# Altium PCB TEBF0808.PcbDoc (part 2 of 11)
Units mm, origin at the board's own origin, x right, y up, seen from the top; angles counter-clockwise.
Board outline 170 x 170 mm, 16 copper layers (L 01, L 02 G, L 03 S, L 04 G, L 05 S, L 06 G, L 07 P, L 08 P, L 09 P, L 10 P, L 11 G, L 12 S, L 13 G, L 14 S, L 15 G, L 16), stack 1.774 mm thick; 609 components, 869 nets, 3941 pads, 2358 vias.
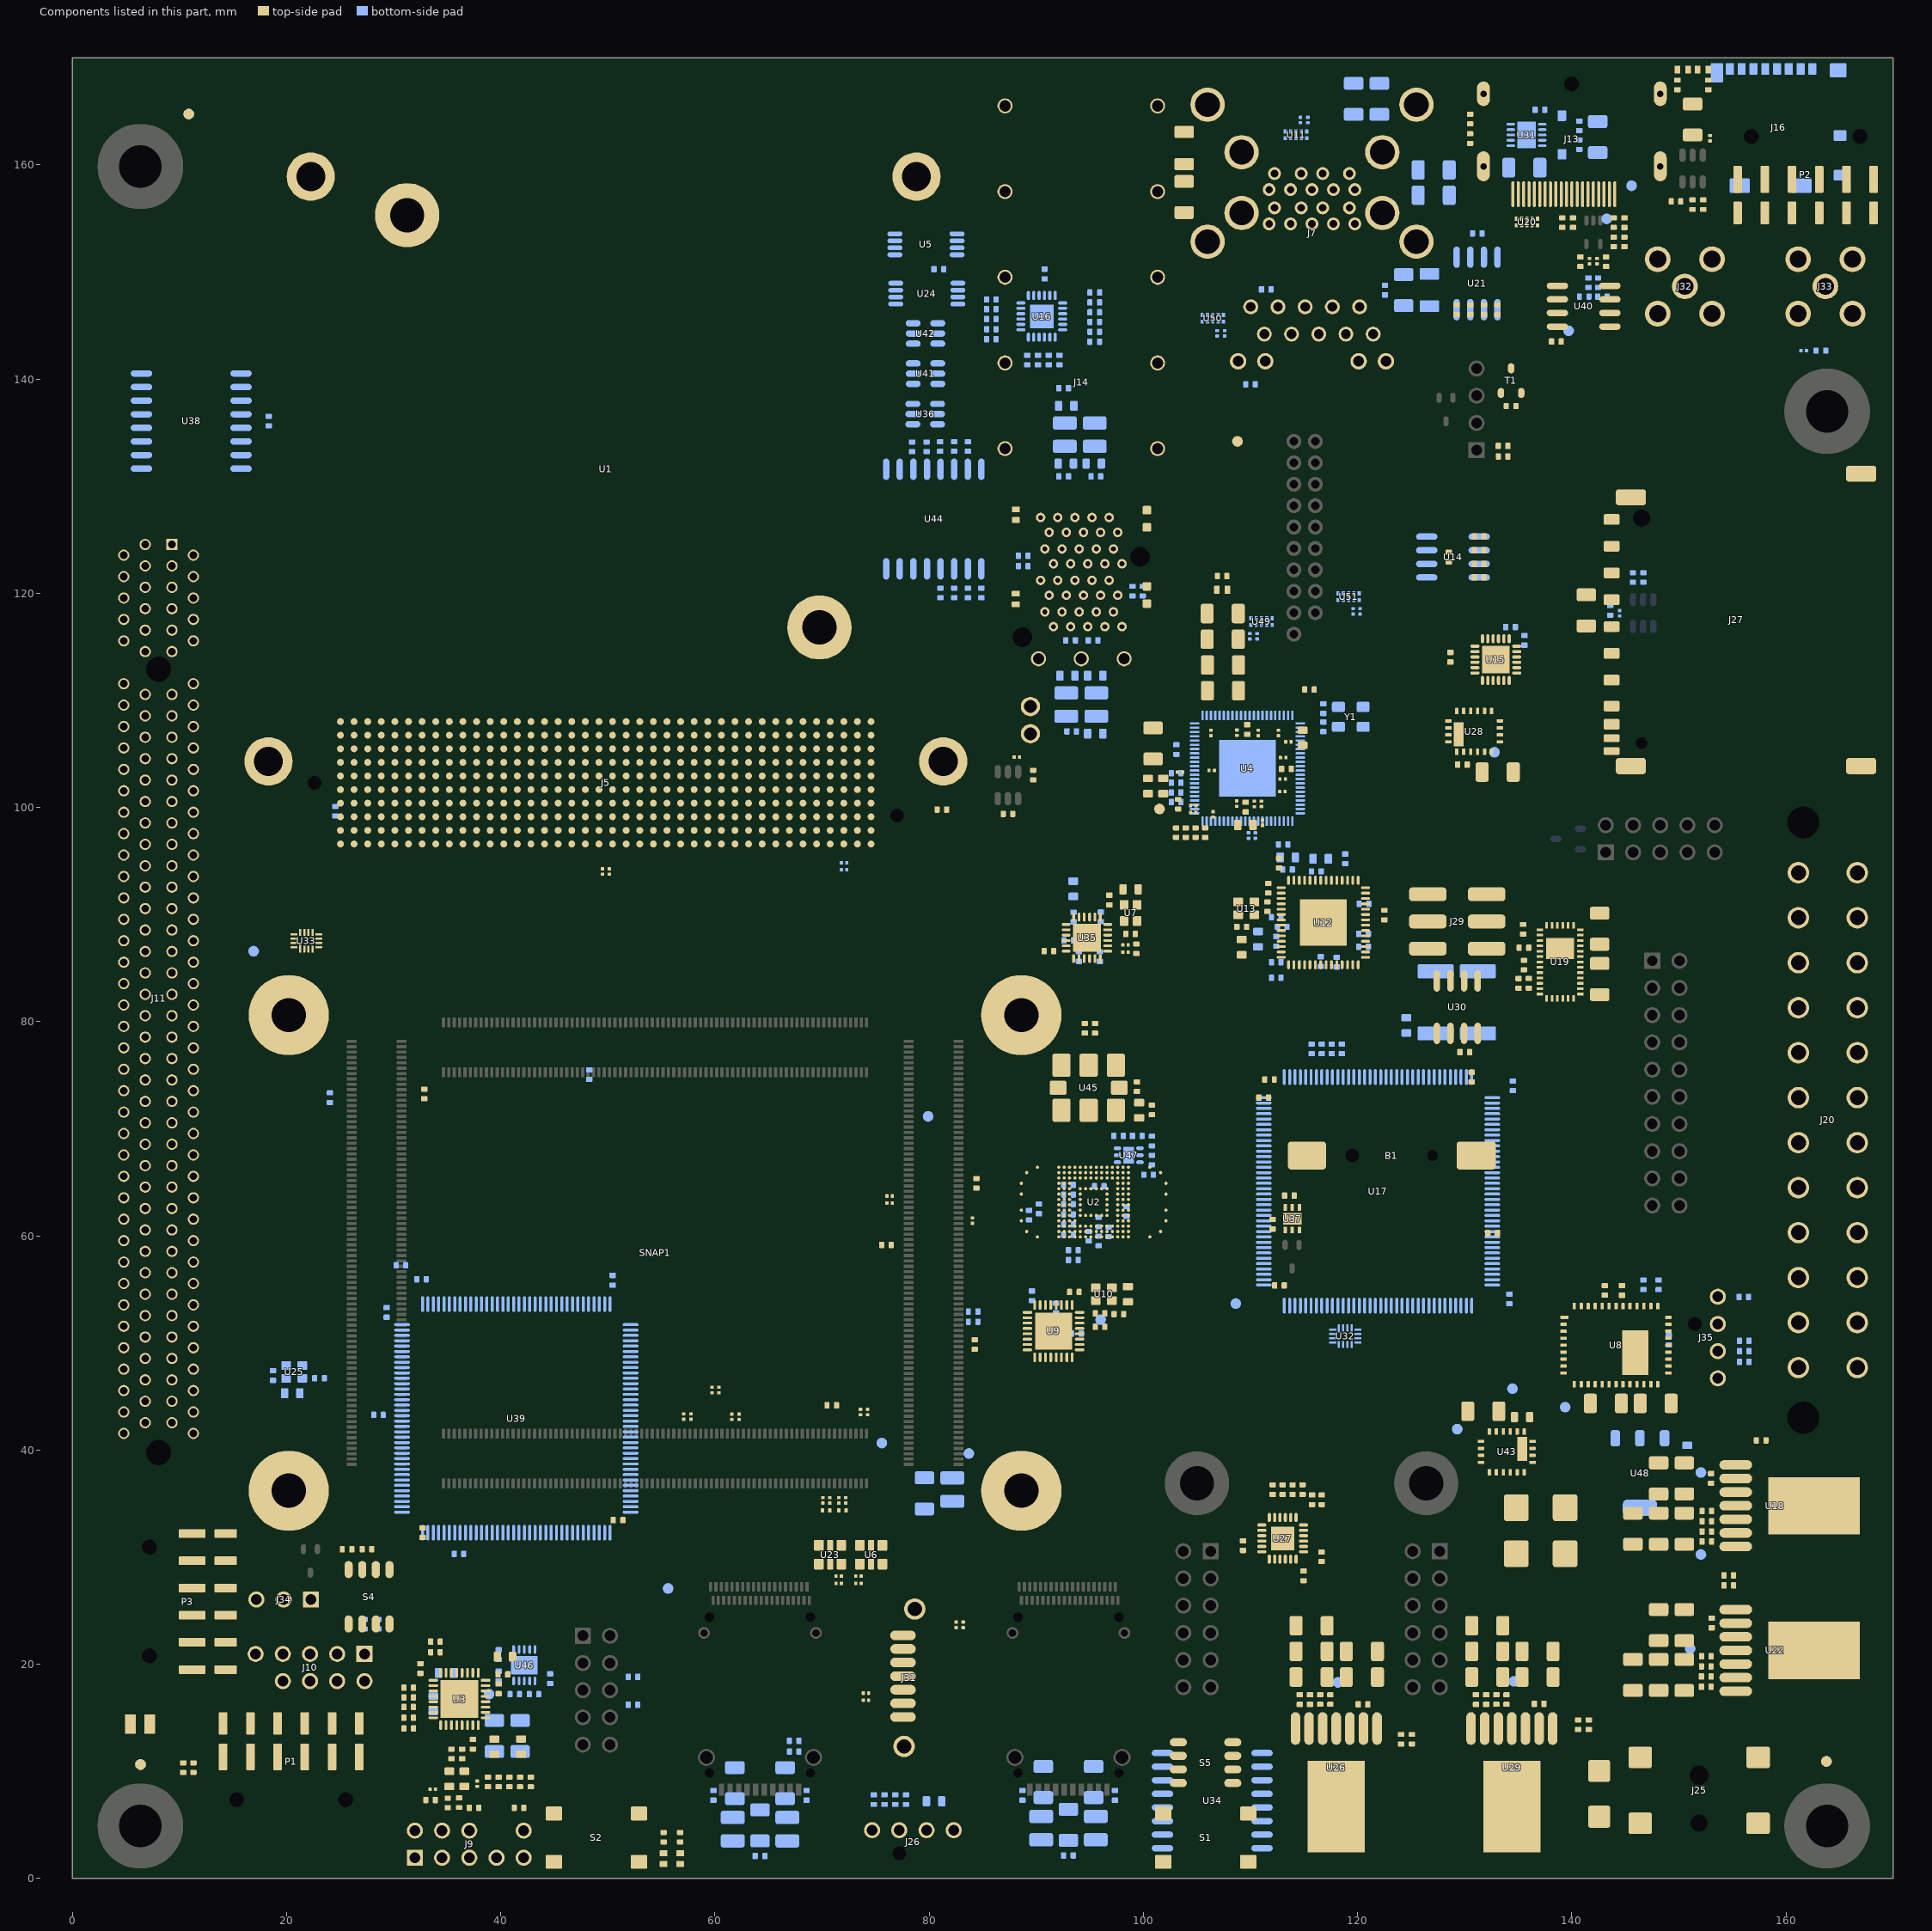
[diagram p16: the components of this part, seen from the top]

## Components (designator, comment, footprint, x,y, rotation, side; value= is the part's Value field where it differs from the comment) (continued)
R86 "4K99" RESC1005X40N 81.025,133.7 r90 bottom
R87 "4K99" RESC1005X40N 82.325,120.025 r270 bottom
R88 "12K" RESC1005X40N 27.5,30.75 r180 top
R89 "10K" RESC1005X40N 96.75,60.375 r270 bottom
R90 "10K" RESC1005X40N 89.325,61.925 r270 bottom
R91 "10K" RESC1005X40N 93,62 r180 bottom
R92 "10K" RESC1005X40N 93,62.95 r180 bottom
R93 "10K" RESC1005X40N 93,60.1 r180 bottom
R94 "10K" RESC1005X40N 93,61.05 r180 bottom
R95 "10K" RESC1005X40N 95.825,59.525 r270 bottom
R96 "10K" RESC1005X40N 94.9,59.95 r270 bottom
R97 "49R9" RESC1005X40N 142.45,149 r270 bottom
R98 "4K99" RESC1005X40N 77.825,7.35 r270 bottom
R99 "10K" RESC1005X40N 93,63.85 r180 bottom
R100 "59R" RESC6332X80N 131.225,81.8 r90 bottom
R101 "249R" RESC1005X40N 116.65,77.45 r90 bottom
R102 "249R" RESC1005X40N 117.575,77.45 r90 bottom
R103 "33R" RESC1005X40N 76,59.15 r180 top
R104 "249R" RESC1005X40N 115.7,77.45 r90 bottom
R105 "249R" RESC1005X40N 118.525,77.45 r90 bottom
R106 "10K" RESC1005X40N 131.35,125.28 r180 top
R107 "4K99" RESC1005X40N 98.975,120.2 r270 bottom
R108 "4K99" RESC1005X40N 83.6,120.025 r270 bottom
R109 "0R" RESC1005X40N 133.575,132.775 r180 top
R110 "10K" RESC1005X40N 131.35,121.47 r180 top
R111 "10K" RESC1005X40N 133.055,146.475 r270 top
R112 "33R" RESC1005X40N 98.795,88.175 r180 top
R113 "4K99" RESC1005X40N 88.775,122.525 r180 bottom
R114 "4K99" RESC1005X40N 81.05,120.025 r270 bottom
R115 "4K99" RESC1005X40N 90.15,141.78 r270 bottom
R116 "4K99" RESC1005X40N 85.8,145.605 r180 bottom
R117 "4K99" RESC1005X40N 84.875,120.025 r270 bottom
R118 "4K99" RESC1005X40N 88.77,123.5 r180 bottom
R119 "4K99" RESC1005X40N 95.45,144.405 r180 bottom
R120 "4K99" RESC1005X40N 95.45,143.48 r180 bottom
R121 "4K99" RESC1005X40N 89.15,141.78 r270 bottom
R122 "4K99" RESC1005X40N 79.75,133.675 r90 bottom
R123 "4K99" RESC1005X40N 99.925,120.2 r270 bottom
R124 "4K99" RESC1005X40N 82.325,133.7 r90 bottom
R125 "100K" RESC1005X40N 111.775,74.6 r180 top
R126 "10K" RESC1005X40N 18.335,136.069 r90 bottom
R127 "4K99" RESC1005X40N 83.6,133.7 r90 bottom
R128 "33R" RESC1005X40N 32.6,55.95 r180 bottom
R129 "10K" RESC1005X40N 81.175,99.8 r180 top
R130 "4K99" RESC1005X40N 95.45,147.155 r180 bottom
R131 "4K99" RESC1005X40N 95.45,148.08 r180 bottom
R132 "4K99" RESC1005X40N 115.75,35.35 r270 top
R133 "59R" RESC6332X80N 127.275,81.8 r90 bottom locked
R134 "100R" RESC0603X26N 71.9,34.35 r0 top
R135 "2K" RESC1005X40N 52.345,16.225 r0 bottom
R136 "2K" RESC1005X40N 52.35,18.825 r0 bottom
R137 "12K" RESC1005X40N 151.275,156.275 r270 top
R138 "200K" RESC1005X40N 152.275,156.275 r270 top
R139 "12K" RESC1005X40N 146.675,121.475 r90 bottom
R140 "4K99" RESC1005X40N 11.3,10.35 r270 top
R141 "4K99" RESC1005X40N 84.1,52.925 r180 bottom
R142 "4K99" RESC1005X40N 84.1,51.975 r180 bottom
R143 "1M" RESC3216X65N 126.7,148.3 r270 bottom
R144 "4K99" RESC1005X40N 10.35,10.35 r270 top
R145 "10K" RESC1005X40N 129.245,146.475 r270 top
R146 "100R" RESC1005X40N 70.9,44.175 r180 top
R147 "200K" RESC1005X40N 145.7,121.475 r270 bottom
R148 "4K99" RESC1005X40N 114.85,36.3 r270 top
R149 "4K99" RESC1005X40N 113.925,36.305 r270 top
R150 "147K" RESC1005X40N 25.645,30.725 r180 top
R151 "33R" RESC1005X40N 91.175,86.575 r180 top
R152 "49K9" RESC1005X40N 157.675,40.9 r0 top
R153 "10K" RESC1005X40N 154.65,28.3 r180 top
R154 "0R" RESC1005X40N 154.65,27.35 r180 top
R155 "0R" RESC1005X40N 124.05,13 r90 top
R156 "0R" RESC1005X40N 140.575,14.345 r90 top
R157 "10K" RESC1005X40N 125.075,13 r90 top
R158 "10K" RESC1005X40N 141.15,147.7 r0 bottom
R159 "4K99" RESC1005X40N 142.85,147.7 r180 bottom
R160 "0R" RESC1005X40N 48.25,75.05 r270 bottom
R161 "0R" RESC1005X40N 30.68,57.25 r0 bottom
R162 "10K" RESC1005X40N 143.076,54.901 r270 top
R163 "10K" RESC1005X40N 141.575,14.35 r90 top
R164 "10K" RESC1005X40N 135.45,88.625 r90 top
R165 "4K99" RESC1005X40N 95.45,145.33 r180 bottom
R166 "4K99" RESC1005X40N 113,36.3 r270 top
R167 "4K99" RESC1005X40N 112.075,36.3 r270 top
R168 "33R" RESC1005X40N 163.25,142.65 r180 bottom
R169 "10K" RESC1005X40N 134.325,137.475 r180 top
R170 "4K7" RESC1005X40N 41.3,17.2 r180 bottom
R171 "1K5" RESC1005X40N 43.1,17.2 r0 bottom
R172 "100R" RESC0603X26N 70.375,34.35 r0 top
R173 "4K99" RESC1005X40N 85.8,143.73 r0 bottom
R174 "4K99" RESC1005X40N 78.4,133.675 r90 bottom
R177 "0R" RESC1005X40N 149.725,156.575 r180 top
R178 "0R" RESC1005X40N 143.575,118.4 r270 bottom
R179 "4K99" RESC1005X40N 95.45,146.23 r180 bottom
R180 "100R" RESC1005X40N 84.4,64.9 r90 top
R181 "0R" RESC1005X40N 94.525,79.375 r270 top
R182 "0R" RESC1005X40N 95.475,79.375 r270 top
R183 "4K99" RESC1005X40N 134.175,54.1 r270 bottom
R184 "10K" RESC1005X40N 95.825,61.275 r90 bottom
R185 "4K99" RESC1005X40N 148.101,55.426 r90 bottom
R186 "4K99" RESC1005X40N 146.676,55.426 r90 bottom
R187 "0R" RESC1005X40N 35.05,7.05 r90 top
R188 "0R" RESC1005X40N 36.1,7.07 r90 top
R189 "33R" RESC1005X40N 28.575,43.275 r180 bottom
R190 "240R" RESC1005X40N 32.85,73.25 r270 top
R191 "12K" RESC1005X40N 100.8,68.85 r270 bottom
R192 "100K" RESC1005X40N 100.8,67.075 r90 bottom
R193 "100K" RESC1005X40N 100.475,65.7 r0 bottom
R194 "0R" RESC1005X40N 100.8,71.75 r90 top
R195 "200R" RESC1005X40N 103.05,103.2 r0 bottom
R196 "4K99" RESC1005X40N 156.1,49.225 r180 bottom
R197 "100R" RESC1005X40N 156.05,54.3 r180 bottom
R198 "4K99" RESC1005X40N 156.1,48.225 r180 bottom
R199 "10K" RESC1005X40N 156.1,50.2 r0 bottom
R200 "6K04" RESC1005X40N 113.05,96.55 r180 bottom
R201 "10K" RESC1005X40N 103.075,105.4 r90 bottom
R202 "10K" RESC1005X40N 103.05,101.4 r0 bottom
R203 "10K" RESC1005X40N 103.05,100.5 r0 bottom
R204 "12K" RESC1005X40N 89.7,103.025 r90 top
R205 "200K" RESC1005X40N 87.35,99.4 r180 top
S1 "SW PB DTSM61N" DTSM61N 105.82,3.81 r180 top locked
S2 "SW PB DTSM61N" DTSM61N 48.93,3.81 r180 top
S4 "CHS-04TA" CHS-04TA 27.7,26.3 r270 top locked
S5 "CHS-04TA" CHS-04TA 105.8,10.81 r0 top locked
S/N "Serialnumber" TraceabilityPad 6.325,14.425 r0 top
Serial "Serialnumber 6,3 x 6.3mm" Serial_6.3x6.3mm 8.6,147.8 r270 top
SNAP1 "TE_76x52mm_3N_Snap" TE_76x52mm_Snap 54.405,58.403 r90 top locked
SNAP2 "SNAP FireFly Socket System" FireFly_Snap 93,24.4 r0 top locked
SNAP3 "SNAP FireFly Socket System" FireFly_Snap 64.2,24.4 r0 top locked
T1 "BSH111,215" SOT95P230X109-3N 134.325,139.85 r90 top
TP1 "Testpoint 1mm" TP_1mm 108.775,134.175 r180 top
TP2 "Testpoint 1mm" TP_1mm 108.625,53.675 r90 bottom
TP3 "Testpoint 1mm" TP_1mm 139.376,44.001 r90 bottom
TP4 "Testpoint 1mm" TP_1mm 151.05,21.45 r90 bottom
TP5 "Testpoint 1mm" TP_1mm 118.15,18.3 r90 bottom
TP6 "Testpoint 1mm" TP_1mm 152.05,30.25 r90 bottom
TP7 "Testpoint 1mm" TP_1mm 142.6,82.525 r270 bottom
TP8 "Testpoint 1mm" TP_1mm 134.6,18.4 r90 bottom
TP9 "Testpoint 1mm" TP_1mm 132.775,105.15 r0 bottom
TP10 "Testpoint 1mm" TP_1mm 129.3,41.95 r90 bottom
TP11 "Testpoint 1mm" TP_1mm 152.05,37.9 r90 bottom
TP12 "Testpoint 1mm" TP_1mm 101.5,99.85 r180 top
TP13 "Testpoint 1mm" TP_1mm 38.9,17.2 r90 bottom
TP15 "Testpoint 1mm" TP_1mm 83.7,39.675 r270 bottom
TP18 "Testpoint 1mm" TP_1mm 145.575,158.05 r90 bottom
TP19 "Testpoint 1mm" TP_1mm 143.25,154.95 r0 bottom
TP28 "Testpoint 1mm" TP_1mm 16.925,86.575 r270 bottom
TP29 "Testpoint 1mm" TP_1mm 55.625,27.075 r270 bottom
TP30 "Testpoint 1mm" TP_1mm 79.9,71.15 r270 bottom
TP31 "Testpoint 1mm" TP_1mm 139.7,144.5 r0 bottom
TP32 "Testpoint 1mm" TP_1mm 134.45,45.725 r270 bottom
TP33 "Testpoint 1mm" TP_1mm 96,52.175 r270 bottom
TP36 "Testpoint 1mm" TP_1mm 75.575,40.65 r270 bottom
U1 "Single FMC Carrier Card" FMC-MM-Single-Base 49.8,102.3 r0 top locked
U2 "MTFC16GJVEC-2M WT" BGA169C50P14X28_1400X1800X80_MICRON 95.35,63.15 r90 top locked
U3 "ADAU1761BCPZ-R7" QFN50P500X500X100-33N 36.14,16.75 r0 top locked
U4 "CYUSB3324" QFN40P10X10X1-89T530 109.71,103.65 r90 bottom locked
U5 "24LC128-I/ST" SOP65P640X120-8N-MC 79.7,152.575 r180 bottom
U6 "DSC1123CI2-100.0000T" PSON105P320X250X90-6N 74.575,30.225 r90 top locked
U7 "SiT8008BI-73-18S-25.000000E" 2016 98.8,90.15 r0 top
U8 "EN5335QI" EN5335QI 144.126,49.791 r0 top locked
U9 "USB3320C-EZK" QFN50P500X500X100-33N-345 91.6,51.1 r0 top
U10 "SiT8008AI-73-XXS-52.000000E" 2016 96.3,54.55 r270 top
U11 "ESD3V3U4ULC E6327" TSLP-9-1 114.25,162.8 r270 bottom
U12 "88E1512-A0-NNP2I000" QFN50P800X800X100-57N 116.8,89.25 r180 top locked
U13 "SiT8008BI-73-18S-25.000000E" 2016 109.6,90.57 r90 top locked
U14 "AP2186SG-13" SOIC127P600X175-8N 128.9,123.375 r180 bottom
U15 "TXS02612RTWR" QFN50P400X400X80-25N-255 132.9,113.8 r0 top locked
U16 "TCA9548ARGER" QFN50P400X400X100-25N-220 90.51,145.85 r180 bottom locked
U17 "LCMXO2-1200HC-4TG144I" QFP50P2200X2200X160-144N 121.9,64.15 r90 bottom locked
U18 "171050601" 7TO-PMOD 161,34.8 r0 top locked
U19 "EN6347QI" EN63xx 138.9,85.575 r90 top locked
U20 "ESD3V3U4ULC E6327" TSLP-9-1 135.8,154.65 r90 top
U21 "AP2186SG-13" SOIC127P600X175-8N 131.15,148.925 r90 bottom
U22 "171050601" 7TO-PMOD 161,21.29 r0 top
U23 "DSC1123CI2-150.0000" PSON105P320X250X90-6N 70.75,30.225 r90 top
U24 "24LC128-I/ST" SOP65P640X120-8N-MC 79.775,147.975 r180 bottom
U25 "SiT8008BI-71-33S-24.576000" 2016 20.725,47.3 r270 bottom
U26 "171050601" 7TO-PMOD 118,8.3 r270 top locked
U27 "TCA9548ARGER" QFN50P400X400X100-25N-220 113,31.75 r90 top
U28 "EN5311QI" EN5311QI 130.875,107.1 r90 top locked
U29 "171050601" 7TO-PMOD 134.4,8.3 r270 top locked
U30 "TCAN337" SOIC127P600X175-8N 129.3,81.35 r90 top locked
U31 "TPS74801DRC" SON50P300X300X100-11N-TI 135.765,162.785 r0 bottom
U32 "SN74AVC4T774RSVR" QFN40P260X180X55-16N 118.85,50.625 r270 bottom
U33 "SN74AVC4T774RSVR" QFN40P260X180X55-16N 21.85,87.55 r90 top
U34 "PCF8574DWR" SOIC127P1030X265-16N 106.425,7.26 r0 bottom locked
U35 "SI5338A-B-GMR" QFN50P400X400X90-25N 94.725,87.825 r180 top locked
U36 "24AA025E48T-I/OT" SOT95P280X145-6N 79.625,136.725 r0 bottom
U37 "TPS780180300" SON65P200X200X80-7N 113.9,61.595 r90 top
U38 "PCF8574DWR" SOIC127P1030X265-16N 11.1,136.075 r180 bottom
U39 "LCMXO2-1200HC-4TG144I" QFP50P2200X2200X160-144N 41.45,42.95 r270 bottom locked
U40 "SN65MLVD201D" SOIC127P600X175-8N 141.1,146.8 r180 top locked
U41 "24AA025E48T-I/OT" SOT95P280X145-6N 79.65,140.5 r0 bottom
U42 "24AA025E48T-I/OT" SOT95P280X145-6N 79.65,144.25 r0 bottom
U43 "EN5311QI" EN5311QI 133.924,39.826 r270 top locked
U44 "PCF8574DWR" SOIC127P1030X265-16N 80.425,126.925 r270 bottom
U45 "570FBB000290DG" OSCCC500X700X180-8N 94.875,73.825 r270 top
U46 "TPS74801DRC" SON50P300X300X100-11N-TI 42.2,19.9 r270 bottom
U47 "TPS79901DRV" SON65P200X210X80-7N-TI 98.625,67.525 r180 bottom
U48 "BTS4141N" SOT230P700X180-4N 146.35,37.85 r270 bottom
U49 "ESD3V3U4ULC E6327" TSLP-9-1 111.025,117.35 r90 bottom
U50 "ESD3V3U4ULC E6327" TSLP-9-1 106.475,145.675 r270 bottom
U51 "ESD3V3U4ULC E6327" TSLP-9-1 119.15,119.675 r90 bottom
Y1 "CX3225SB26000" OSCCC320X250X60N 119.355,108.455 r270 bottom

## Footprints (in the part's own frame and the unit in brackets; to place one, negate y for a bottom-side part, rotate by r counter-clockwise, add the part's x,y. Pads: shape width x height; smd on the part's side, far side on the other; paste and mask are expansions set on the pad)
1-2007492-5 [mm]
  round 1.4 hole 1.05: H0(-7.125,8) H0(-7.125,0) H0(-7.125,-16) H0(-7.125,-8) H0(-7.125,-24) H0(-4,27.625) H0(0,27.625) H0(4,27.625) H0(7.125,8) H0(7.125,0) H0(7.125,-16) H0(7.125,-8) H0(7.125,-24)
  round 0 hole 1.85 unplated: H1(-5.5,18.1) H2(5.5,25.6)
  round 0.88 hole 0.46: L1(3.4,17.37) L2(2.6,18.75) L3(1.8,17.37) L4(1,18.75) L5(0.2,17.37) L6(-0.6,18.75) L7(-1.4,17.37) L8(-2.2,18.75) L9(-3,17.37) L10(-3.8,18.75) L11(-3.4,15.82) L12(-2.6,14.43) L13(-1.8,15.82) L14(-1,14.43) L15(-0.2,15.82) L16(0.6,14.43) L17(1.4,15.82) L18(2.2,14.43) L19(3,15.82) L20(3.8,14.43) T1(-3.4,21.69) T2(-2.6,20.3) T3(-1.8,21.69) T4(-1,20.3) T5(-0.2,21.69) T6(0.6,20.3) T7(1.4,21.69) T8(2.2,20.3) T9(3,21.69) T10(3.8,20.3) T11(3.4,23.24) T12(2.6,24.62) T13(1.8,23.24) T14(1,24.62) T15(0.2,23.24) T16(-0.6,24.62) T17(-1.4,23.24) T18(-2.2,24.62) T19(-3,23.24) T20(-3.8,24.62)
  Courtyard Top keep-out region: -7,27.5 -7.25,27.5 -7.25,17.75 -7.25,12.47 -7,12.47 -7,17.75
  Courtyard Top keep-out region: 7,27.5 7.25,27.5 7.25,17.75 7.25,12.47 7,12.47 7,17.75
  Courtyard Top keep-out region: 4.95,27.5 7.125,27.5 7.125,25.376 4.8,23.04 4.8,20.7 7.125,18.364 7.125,17.906 4.8,15 4.8,12.47 4.25,12.47 4.25,14.05 4.383,14.288 4.383,14.562 4.25,14.8 4.25,14.8 4.25,19.9 4.383,20.156 4.383,20.444 4.25,20.7 4.25,20.7 4.25,26.8 4.65,27.1 4.95,27.5
  Courtyard Top keep-out region: -4.95,27.5 -7.125,27.5 -7.125,25.376 -4.8,23.04 -4.8,20.7 -7.125,18.364 -7.125,17.906 -4.8,15 -4.8,12.47 -4.25,12.47 -4.25,18.364 -4.383,18.615 -4.383,18.899 -4.25,19.15 -4.25,19.15 -4.25,24.25 -4.383,24.488 -4.383,24.762 -4.25,25 -4.25,25 -4.25,26.8 -4.675,27.075 -4.95,27.5
  silkscreen extent -7.63,-14.57 7.63,27.75, body extent -8.15,-35.5 8.15,28.3, height 26.42
7TO-PMOD [mm]
  oval 3.06x0.89 smd: 1(-5.7,3.81) 2(-5.7,2.54) 3(-5.7,1.27) 4(-5.7,0) 5(-5.7,-1.27) 6(-5.7,-2.54) 7(-5.7,-3.81)
  rect 8.54x5.35 smd: 8(1.605,0)
  L 01 region: 5.875,-3.2 5.875,3.2 4.875,3.2 4.875,-3.2
  L 01 region: -2.665,3.2 -2.665,-3.2 -1.665,-3.2 -1.665,3.2
  silkscreen extent -6,-5.21 6.89,5.21, body extent -6.88,-5.08 6.89,5.08, height 5.22
104C-TAA0-R [mm]
  rrect33% 1x1.5 smd: 1(6.875,13.3) 2(4.375,13.3) 3(1.875,13.3) 4(-0.625,13.3) 5(-3.125,13.3) 6(-5.625,13.3) 7(-8.05,13.3) 8(-9.75,13.3) 9(9.375,13.3)
  rrect33% 0.7x1.5 smd: 10(-11.05,13.3) 11(-12.25,13.3)
  rrect33% 1.5x2.8 smd: 12(-13.65,-10) 12(-13.65,11.5) 12(11.45,11.5) 12(13.65,-10)
  round 0 hole 1.1 unplated: H1(-11.5,10.5)
  round 0 hole 1.6 unplated: H2(9.5,10.5)
  silkscreen extent -13.3,-8.2 13.3,12.5, body extent -13.94,-12.39 14.16,13.86, height 3.3
2016 [mm]
  rrect20% 0.8x0.9 smd: 1(-0.6,0.75) 2(-0.6,-0.75) 3(0.6,-0.75) 4(0.6,0.75)
  silkscreen extent -1.4,-0.1 0.82,0.85, body extent -0.82,-1.02 0.82,1.03, height 0.81
8470-2-2-X [mm] "Display Port, Buchse liegend"
  oval 0.28x2.4 smd: 1(5.5,7.142) 2(5,7.142) 3(4.5,7.142) 4(4,7.142) 5(3.5,7.142) 6(3,7.142) 7(2.5,7.142) 8(2,7.142) 9(1.5,7.142) 10(1,7.142) 11(0.5,7.142) 12(0,7.142) 13(-0.5,7.142) 14(-1,7.142) 15(-1.5,7.142) 16(-2,7.142) 17(-2.5,7.142) 18(-3,7.142) 19(-3.5,7.142) 20(-4,7.142)
  oval 1.2x2.8 hole 0.6 slot 2.2 at 90 deg: F1(8.25,4.542) F3(-8.25,4.542)
  oval 1.2x2.3 hole 0.6 slot 1.7 at 90 deg: F2(8.25,-2.238) F4(-8.25,-2.238)
  round 0 hole 1.4 unplated: H1(0,-3.138)
  silkscreen extent -8.45,-6 8.45,8.25, body extent -8.89,-7.45 8.89,7.44, height 6.65
47053-1000 [mm]
  round 1.5 hole 1: 1(3.81,1.08) 2(1.27,1.08) 3(-1.27,1.08) 4(-3.81,1.08)
  round 0 hole 1.3 unplated: H1(-1.27,-1.08)
  silkscreen extent -5.1,-2.12 5.1,4.38, body extent -5.1,-1.46 5.1,4.38, height 10
67800-5005 [mm]
  oval 0.9x2.4 smd: 1(-3.81,0) 2(-2.54,0) 3(-1.27,0) 4(0,0) 5(1.27,0) 6(2.54,0) 7(3.81,0)
  round 2 hole 1.35: F1(-6.27,1.1) F2(6.56,0.1)
  silkscreen extent -8.31,-2.16 8.59,4.29, body extent -8.31,-2.16 8.59,4.29, height 8.6
104031-0811 [mm]
  rrect20% 0.75x1.1 smd: 1(3.155,-5.525) 2(2.055,-5.525) 3(0.955,-5.525) 4(-0.145,-5.525) 5(-1.245,-5.525) 6(-2.345,-5.525) 7(-3.445,-5.525) 8(-4.545,-5.525)
  rrect20% 1.2x1 smd: 9(5.74,0.7) 10(5.74,4.4)
  rrect20% 1.55x1.35 smd: G1(5.565,-5.4)
  rrect20% 1.17x1.8 smd: G2(-5.755,-5.175)
  rrect20% 1.9x1.35 smd: G3(-3.63,5.375) G4(2.14,5.375)
  silkscreen extent -5.98,-4.4 5.97,5.7, body extent -5.97,-9.7 5.97,5.7, height 1.45
7497110616 [mm]
  round 1.39 hole 0.9: 1(5.715,3.72) 2(4.445,6.26) 3(3.175,3.72) 4(1.905,6.26) 5(0.635,3.72) 6(-0.635,6.26) 7(-1.905,3.72) 8(-3.175,6.26) 9(-4.445,3.72) 10(-5.715,6.26)
  round 1.53 hole 1: 11(6.9,8.8) 12(4.36,8.8) 13(-4.36,8.8) 14(-6.9,8.8)
  round 3.2 hole 2.3: F1(-9.75,-15.16) F2(9.75,-15.16) F3(-6.57,-10.73) F4(6.57,-10.73) F5(-6.57,-5.05) F6(6.57,-5.05) F7(-9.75,-2.38) F8(9.75,-2.38)
  round 1.2 hole 0.7: U1(-3.5,-8.73) U2(-1,-8.73) U3(1,-8.73) U4(3.5,-8.73) U5(4,-7.23) U6(2,-7.23) U7(0,-7.23) U8(-2,-7.23) U9(-4,-7.23) U10(-3.5,-5.53) U11(-1,-5.53) U12(1,-5.53) U13(3.5,-5.53) U14(4,-4.03) U15(2,-4.03) U16(0,-4.03) U17(-2,-4.03) U18(-4,-4.03)
  silkscreen extent -9.7,-12 9.8,10, body extent -9.75,-23.18 9.75,9.97, height 31.35
610112249221 [mm]
  rrect20% 0.8x2.1 smd: 1(-6.35,-9.89) 2(-3.81,-9.89) 3(-1.27,-9.89) 4(1.27,-9.89) 5(3.81,-9.89) 6(6.35,-9.89)
  rrect20% 0.8x2.5 smd: 7(-6.35,-6.76) 8(-3.81,-6.76) 9(-1.27,-6.76) 10(1.27,-6.76) 11(3.81,-6.76) 12(6.35,-6.76)
  round 0 hole 1.4 unplated: H1(-5.08,-2.75) H2(5.08,-2.75)
  silkscreen extent -7.87,-9.98 7.87,4.25, body extent -7.87,-10.44 7.87,4.25, height 5.01
694106106102 [mm]
  rrect20% 2.2x2 smd: 1(-5.5,-2.35) 1(-5.5,3.8) 2(5.5,-2.35) 3(5.5,3.8)
  round 0 hole 1.6 unplated: H1(0,-2.35)
  round 0 hole 1.8 unplated: H2(0,2.15)
  silkscreen extent -4.5,-7.35 4.5,7.35, body extent -6.25,-7.35 6.25,7.35, height 11
ASP-134486-01B [mm]
  round 0 hole 1.27 unplated: 1(27.19,-3.05) 2(-27.19,0)
  round 0.64 smd paste+0.125: A1(24.766,-5.715) A2(23.496,-5.715) A3(22.226,-5.715) A4(20.956,-5.715) A5(19.686,-5.715) A6(18.416,-5.715) A7(17.146,-5.715) A8(15.876,-5.715) A9(14.606,-5.715) A10(13.336,-5.715) A11(12.066,-5.715) A12(10.796,-5.715) A13(9.526,-5.715) A14(8.256,-5.715) A15(6.986,-5.715) A16(5.716,-5.715) A17(4.446,-5.715) A18(3.176,-5.715) A19(1.906,-5.715) A20(0.636,-5.715) A21(-0.634,-5.715) A22(-1.904,-5.715) A23(-3.174,-5.715) A24(-4.444,-5.715) A25(-5.714,-5.715) A26(-6.984,-5.715) A27(-8.254,-5.715) A28(-9.524,-5.715) A29(-10.794,-5.715) A30(-12.064,-5.715) A31(-13.334,-5.715) A32(-14.604,-5.715) A33(-15.874,-5.715) A34(-17.144,-5.715) A35(-18.414,-5.715) A36(-19.684,-5.715) A37(-20.954,-5.715) A38(-22.224,-5.715) A39(-23.494,-5.715) A40(-24.764,-5.715) B1(24.766,-4.445) B2(23.496,-4.445) B3(22.226,-4.445) B4(20.956,-4.445) B5(19.686,-4.445) B6(18.416,-4.445) B7(17.146,-4.445) B8(15.876,-4.445) B9(14.606,-4.445) B10(13.336,-4.445) B11(12.066,-4.445) B12(10.796,-4.445) B13(9.526,-4.445) B14(8.256,-4.445) B15(6.986,-4.445) B16(5.716,-4.445) B17(4.446,-4.445) B18(3.176,-4.445) B19(1.906,-4.445) B20(0.636,-4.445) B21(-0.634,-4.445) B22(-1.904,-4.445) B23(-3.174,-4.445) B24(-4.444,-4.445) B25(-5.714,-4.445) B26(-6.984,-4.445) B27(-8.254,-4.445) B28(-9.524,-4.445) B29(-10.794,-4.445) B30(-12.064,-4.445) B31(-13.334,-4.445) B32(-14.604,-4.445) B33(-15.874,-4.445) B34(-17.144,-4.445) B35(-18.414,-4.445) B36(-19.684,-4.445) B37(-20.954,-4.445) B38(-22.224,-4.445) B39(-23.494,-4.445) B40(-24.764,-4.445) C1(24.766,-3.175) C2(23.496,-3.175) C3(22.226,-3.175) C4(20.956,-3.175) C5(19.686,-3.175) C6(18.416,-3.175) C7(17.146,-3.175) C8(15.876,-3.175) C9(14.606,-3.175) C10(13.336,-3.175) C11(12.066,-3.175) C12(10.796,-3.175) C13(9.526,-3.175) C14(8.256,-3.175) C15(6.986,-3.175) C16(5.716,-3.175) C17(4.446,-3.175) C18(3.176,-3.175) C19(1.906,-3.175) C20(0.636,-3.175) C21(-0.634,-3.175) C22(-1.904,-3.175) C23(-3.174,-3.175) C24(-4.444,-3.175) C25(-5.714,-3.175) C26(-6.984,-3.175) C27(-8.254,-3.175) C28(-9.524,-3.175) C29(-10.794,-3.175) C30(-12.064,-3.175) C31(-13.334,-3.175) C32(-14.604,-3.175) C33(-15.874,-3.175) C34(-17.144,-3.175) C35(-18.414,-3.175) C36(-19.684,-3.175) C37(-20.954,-3.175) C38(-22.224,-3.175) C39(-23.494,-3.175) C40(-24.764,-3.175) D1(24.766,-1.905) D2(23.496,-1.905) D3(22.226,-1.905) D4(20.956,-1.905) D5(19.686,-1.905) D6(18.416,-1.905) D7(17.146,-1.905) D8(15.876,-1.905) D9(14.606,-1.905) D10(13.336,-1.905) D11(12.066,-1.905) D12(10.796,-1.905) D13(9.526,-1.905) D14(8.256,-1.905) D15(6.986,-1.905) D16(5.716,-1.905) D17(4.446,-1.905) D18(3.176,-1.905) D19(1.906,-1.905) D20(0.636,-1.905) D21(-0.634,-1.905) D22(-1.904,-1.905) D23(-3.174,-1.905) D24(-4.444,-1.905) D25(-5.714,-1.905) D26(-6.984,-1.905) D27(-8.254,-1.905) D28(-9.524,-1.905) D29(-10.794,-1.905) D30(-12.064,-1.905) D31(-13.334,-1.905) D32(-14.604,-1.905) D33(-15.874,-1.905) D34(-17.144,-1.905) D35(-18.414,-1.905) D36(-19.684,-1.905) D37(-20.954,-1.905) D38(-22.224,-1.905) D39(-23.494,-1.905) D40(-24.764,-1.905) E1(24.766,-0.635) E2(23.496,-0.635) E3(22.226,-0.635) E4(20.956,-0.635) E5(19.686,-0.635) E6(18.416,-0.635) E7(17.146,-0.635) E8(15.876,-0.635) E9(14.606,-0.635) E10(13.336,-0.635) E11(12.066,-0.635) E12(10.796,-0.635) E13(9.526,-0.635) E14(8.256,-0.635) E15(6.986,-0.635) E16(5.716,-0.635) E17(4.446,-0.635) E18(3.176,-0.635) E19(1.906,-0.635) E20(0.636,-0.635) E21(-0.634,-0.635) E22(-1.904,-0.635) E23(-3.174,-0.635) E24(-4.444,-0.635) E25(-5.714,-0.635) E26(-6.984,-0.635) E27(-8.254,-0.635) E28(-9.524,-0.635) E29(-10.794,-0.635) E30(-12.064,-0.635) E31(-13.334,-0.635) E32(-14.604,-0.635) E33(-15.874,-0.635) E34(-17.144,-0.635) E35(-18.414,-0.635) E36(-19.684,-0.635) E37(-20.954,-0.635) E38(-22.224,-0.635) E39(-23.494,-0.635) E40(-24.764,-0.635) F1(24.766,0.635) F2(23.496,0.635) F3(22.226,0.635) F4(20.956,0.635) F5(19.686,0.635) F6(18.416,0.635) F7(17.146,0.635) F8(15.876,0.635) F9(14.606,0.635) F10(13.336,0.635) F11(12.066,0.635) F12(10.796,0.635) F13(9.526,0.635) F14(8.256,0.635) F15(6.986,0.635) F16(5.716,0.635) F17(4.446,0.635) F18(3.176,0.635) F19(1.906,0.635) F20(0.636,0.635) F21(-0.634,0.635) F22(-1.904,0.635) F23(-3.174,0.635) F24(-4.444,0.635) F25(-5.714,0.635) F26(-6.984,0.635) F27(-8.254,0.635) F28(-9.524,0.635) F29(-10.794,0.635) F30(-12.064,0.635) F31(-13.334,0.635) F32(-14.604,0.635) F33(-15.874,0.635) F34(-17.144,0.635) F35(-18.414,0.635) F36(-19.684,0.635) F37(-20.954,0.635) F38(-22.224,0.635) F39(-23.494,0.635) F40(-24.764,0.635) G1(24.766,1.905) G2(23.496,1.905) G3(22.226,1.905) G4(20.956,1.905) G5(19.686,1.905) G6(18.416,1.905) G7(17.146,1.905) G8(15.876,1.905) G9(14.606,1.905) G10(13.336,1.905) G11(12.066,1.905) G12(10.796,1.905) G13(9.526,1.905) G14(8.256,1.905) G15(6.986,1.905) G16(5.716,1.905) G17(4.446,1.905) G18(3.176,1.905) G19(1.906,1.905) G20(0.636,1.905) G21(-0.634,1.905) G22(-1.904,1.905) G23(-3.174,1.905) G24(-4.444,1.905) G25(-5.714,1.905) G26(-6.984,1.905) G27(-8.254,1.905) G28(-9.524,1.905) G29(-10.794,1.905) G30(-12.064,1.905) G31(-13.334,1.905) G32(-14.604,1.905) G33(-15.874,1.905) G34(-17.144,1.905) G35(-18.414,1.905) G36(-19.684,1.905) G37(-20.954,1.905) G38(-22.224,1.905) G39(-23.494,1.905) G40(-24.764,1.905) H1(24.766,3.175) H2(23.496,3.175) H3(22.226,3.175) H4(20.956,3.175) H5(19.686,3.175) H6(18.416,3.175) H7(17.146,3.175) H8(15.876,3.175) H9(14.606,3.175) H10(13.336,3.175) H11(12.066,3.175) H12(10.796,3.175) H13(9.526,3.175) H14(8.256,3.175) H15(6.986,3.175) H16(5.716,3.175) H17(4.446,3.175) H18(3.176,3.175) H19(1.906,3.175) H20(0.636,3.175) H21(-0.634,3.175) H22(-1.904,3.175) H23(-3.174,3.175) H24(-4.444,3.175) H25(-5.714,3.175) H26(-6.984,3.175) H27(-8.254,3.175) H28(-9.524,3.175) H29(-10.794,3.175) H30(-12.064,3.175) H31(-13.334,3.175) H32(-14.604,3.175) H33(-15.874,3.175) H34(-17.144,3.175) H35(-18.414,3.175) H36(-19.684,3.175) H37(-20.954,3.175) H38(-22.224,3.175) H39(-23.494,3.175) H40(-24.764,3.175) J1(24.766,4.445) J2(23.496,4.445) J3(22.226,4.445) J4(20.956,4.445) J5(19.686,4.445) J6(18.416,4.445) J7(17.146,4.445) J8(15.876,4.445) J9(14.606,4.445) J10(13.336,4.445) J11(12.066,4.445) J12(10.796,4.445) J13(9.526,4.445) J14(8.256,4.445) J15(6.986,4.445) J16(5.716,4.445) J17(4.446,4.445) J18(3.176,4.445) J19(1.906,4.445) J20(0.636,4.445) J21(-0.634,4.445) J22(-1.904,4.445) J23(-3.174,4.445) J24(-4.444,4.445) J25(-5.714,4.445) J26(-6.984,4.445) J27(-8.254,4.445) J28(-9.524,4.445) J29(-10.794,4.445) J30(-12.064,4.445) J31(-13.334,4.445) J32(-14.604,4.445) J33(-15.874,4.445) J34(-17.144,4.445) J35(-18.414,4.445) J36(-19.684,4.445) J37(-20.954,4.445) J38(-22.224,4.445) J39(-23.494,4.445) J40(-24.764,4.445) K1(24.766,5.715) K2(23.496,5.715) K3(22.226,5.715) K4(20.956,5.715) K5(19.686,5.715) K6(18.416,5.715) K7(17.146,5.715) K8(15.876,5.715) K9(14.606,5.715) K10(13.336,5.715) K11(12.066,5.715) K12(10.796,5.715) K13(9.526,5.715) K14(8.256,5.715) K15(6.986,5.715) K16(5.716,5.715) K17(4.446,5.715) K18(3.176,5.715) K19(1.906,5.715) K20(0.636,5.715) K21(-0.634,5.715) K22(-1.904,5.715) K23(-3.174,5.715) K24(-4.444,5.715) K25(-5.714,5.715) K26(-6.984,5.715) K27(-8.254,5.715) K28(-9.524,5.715) K29(-10.794,5.715) K30(-12.064,5.715) K31(-13.334,5.715) K32(-14.604,5.715) K33(-15.874,5.715) K34(-17.144,5.715) K35(-18.414,5.715) K36(-19.684,5.715) K37(-20.954,5.715) K38(-22.224,5.715) K39(-23.494,5.715) K40(-24.764,5.715)